# KiCad board 8851_HW-U1-VCU118_REV2-0_071417.kicad_pcb (continued)
## Routing (per net, layer and track width the routed paths; a pad name or vN(x,y) marks a point on that pad's centre or on a via; arc(x,y) is an arc through that point) (continued)
RLD3_C3_COMP1_72B_TDO: length 32.7
  TOP w0.15: 68.72,111.88 v2(68.23,111.38) 67.67,110.83 67.67,109.13 67.33,108.79 67.33,107.92 68.38,106.88 86.42,106.88 v3(87.58,105.72) ; U141.N4 v2(88.81,108.58)
  20_SIG7 w0.087: v2(88.81,108.58) 88.32,109.07 86.62,109.07 86.37,108.82 86.37,107.46 87.58,106.26 v3(87.58,105.72)
RLD3_C3_COMP2_72B_TDO: length 31.2
  TOP w0.15: J105.2 89.33,124.62 70,124.62 67.17,121.79 67.17,119.33 v2(68.23,118.27) 68.72,117.78
RLD3_C3_VTERM_0V6: length 52.6
  TOP w0.25: v3(101.89,119.69) 101.46,119.69 101.38,119.61 100.91,119.61 100.91,118.86 101.25,118.52 v3(101.78,118.52) ; 100.91,115.48 101.58,115.48 v3(102.17,116.08) ; v3(101.65,113.56) 101.48,113.73 100.91,113.73 ; R964.1 82.62,117.26 82.04,117.26 v2(82.01,117.29) ; R959.1 v2(82.01,112.37) ; 90.78,106.37 v3(90.78,105.74) ; 93,124.21 93.05,124.26 93.9,124.26 94.49,124.85 v3(94.9,124.85) ; v3(90.03,105.75) 90.03,106.13 89.79,106.37 87.82,106.37 ; R955.1 82.62,118.3 v2(82.01,118.3) ; v3(94.7,105.52) 94.6,105.63 94.6,106.34 ; v2(82.01,115.32) 82.01,115.32 R966.1 ; R963.1 v2(82.01,113.35) ; v2(82.01,116.31) 82.01,116.3 R971.1 ; R970.1 v2(82.01,111.38) ; 100.91,114.73 v3(101.6,114.73) ; R960.1 v2(82.01,109.41) ; R958.1 v2(82.01,110.4)
  TOP w0.375: 100.91,112.86 100.91,113.73
  11_PWR2 w0.375: J104.1 64.58,137.4 ; J104.1 62.99,135.81 ; J104.1 64.83,136.6 ; J104.1 62.73,136.6 ; J104.1 63.78,137.65 ; J104.1 64.58,135.81 ; J104.1 62.99,137.4 ; J104.1 63.78,135.55
  BOTTOM w0.25: v2(82.01,117.29) v2(82.01,116.31) v2(82.01,115.32) 82.01,115.32 82.66,115.32 82.9,115.57 ; v2(82.01,117.29) v2(82.01,118.3) ; v2(82.01,117.29) 82.04,117.26 82.6,117.26 83.26,117.92 84.38,117.92 84.88,117.42 84.88,116.96 ; 82.9,110.19 82.22,110.19 v2(82.01,110.4) ; v3(102.17,116.08) 101.58,115.48 100.91,115.48 ; v2(82.01,109.41) 82.38,109.05 82.9,109.05 ; v3(101.78,118.52) 101.44,118.86 100.91,118.86 ; v3(101.9,121.17) 101.9,120.72 101.49,120.32 100.9,120.32 ; 101.52,116.43 101.83,116.43 102.15,116.75 v3(102.15,116.83) ; 91.62,123.18 90.85,123.18 v3(90.75,123.08) ; v3(90.78,105.74) 90.78,105.32 91.17,104.92 Z87.1 ; v3(90.03,105.75) 90.16,105.89 C1246.1 88.77,106.68 ; 82.9,112.32 82.06,112.32 v2(82.01,112.37) ; 56.36,134.05 56.36,132.68 56.27,132.6 56.27,131.93 ; 100.91,113.73 101.48,113.73 v3(101.65,113.56) ; v3(101.6,114.73) 100.91,114.73
  BOTTOM w0.375: 100.91,112.86 100.91,113.73
  vias: v3(59.27,133.43) v3(60.52,133.43) v3(63.17,133.4) v3(64.42,133.4)
RLD3_C3_VTERM_0V6_PGOOD: length 223.7
  TOP w0.138: R1008.2 56.88,128.48 56.68,128.28 56.3,128.28 v3(55.78,127.75) ; Q41.1 v3(206.61,152.75)
  07_SIG3 w0.17: v3(55.78,127.75) 54.66,128.87 54.66,146.22 53.03,147.85 53.03,148.91 49.21,152.73 49.02,152.73 v3(48.78,152.97)
  14_SIG4 w0.087: v3(177.66,156.72) 184.17,156.72 186.12,158.68 194.24,158.68 195.67,157.24 200.95,157.24 202.07,156.12 202.07,154.85 202.57,154.35 203.28,154.35 203.46,154.53 206.19,154.53 206.61,154.12 v3(206.61,152.75)
  16_SIG5 w0.087: v3(48.78,152.97) 47.07,154.68 47.07,166.34 49.17,168.45 53.97,168.45 55.9,170.38 105.85,170.38 105.9,170.33 118.35,170.33 118.9,169.78 174,169.78 175.99,167.79 175.99,158.39 v3(177.66,156.72)
  BOTTOM w0.15: 55.78,129.03 v3(55.78,127.75)
RLD3_EN: length 3.9
  TOP w0.138: v3(57.48,127.23) 57.9,127.65 57.9,128.87
  BOTTOM w0.15: v3(57.48,127.23) 57.48,127.82 56.76,128.54 56.76,129.03
RLD3_REFIN: length 5.3
  BOTTOM w0.2: 55.36,134.25 55.76,134.25 55.96,134.06 55.96,132.88 55.78,132.7 55.78,131.93
  BOTTOM w0.375: C1289.1 v3(53.28,135.03) ; R992.1 v3(53.28,132.47) ; 55.36,134.25 v3(55.36,135.12)
RLD3_REFOUT: length 2.9
  TOP w0.138: 58.98,128.86 v3(58.98,128.18)
  BOTTOM w0.15: 57.26,129.03 57.26,128.72 57.8,128.18 v3(58.98,128.18)
RLD3_SENSE: length 90.5
  TOP w0.15: v3(102.83,105.54) 101.36,104.08 93.8,104.08 93.14,104.73 v3(93.14,105.48)
  BOTTOM w0.15: Z87.2 92.58,104.92 v3(93.14,105.48) ; v3(102.83,105.54) 106.54,109.25 106.54,125.99 101.62,130.9 67.38,130.9 64.8,128.33 59.89,128.33 58.7,129.52 58.7,131.52 58.35,131.87 58.35,132.37 57.98,132.75 57.42,132.75 57.26,132.58 57.26,131.93
RX_CTRL: length 16.1
  TOP w0.102: U7.38 38.43,141.45 38.54,141.56 38.54,146.68 38.05,147.18 38.05,148.42 38.91,149.28 38.91,149.58 38.02,150.47
  TOP w0.138: R65.1 41.87,135.55 41.25,134.93 v3(40.5,134.93) 40.23,135.19 39.64,135.19
  BOTTOM w0.15: v3(40.5,134.93) 41,134.43 42.5,134.43
SDIO_CD: length 32.3
  TOP w0.15: 18.8,132.45 v6(19.2,132.84)
  05_SIG2 w0.17: v3(18.11,153.3) 18.11,148.73 17.68,148.3 17.68,145.95 16.42,144.69 16.42,140.74 16.19,140.52 16.19,132.77 16.84,132.12 18.48,132.12 v6(19.2,132.84)
  BOTTOM w0.15: 20.86,154.02 19.98,154.02 19.25,153.3 v3(18.11,153.3) 18.11,156.13
  BOTTOM w0.375: R1101.2 v3(22.8,154.02)
SDIO_CLK: length 50.5
  TOP w0.15: 20.38,133.24 v6(20.77,133.63)
  TOP w0.375: U111.B7 v6(14.47,137.57)
  18_SIG6 w0.087: v6(20.77,133.63) 21.16,134.03 21.16,138.89 19.46,140.59 18.34,140.59 17.72,141.21 17.72,143.84 14.85,146.71 14.85,151.03 14.3,151.58 14.3,152.82 14.21,152.91 12.76,152.91 12.68,152.99 12.68,153.34 12.76,153.43 14.21,153.43 14.3,153.52 14.3,153.87 14.21,153.96 12.76,153.96 12.68,154.04 12.68,154.39 12.76,154.48 14.21,154.48 14.3,154.57 14.3,154.92 14.21,155.01 13.06,155.01 12.97,155.09 12.97,155.43 13.07,155.53 14.21,155.53 14.3,155.62 14.3,155.97 14.21,156.06 13.44,156.06 13.27,156.22 13.27,156.46 13.39,156.58 14.21,156.58 14.3,156.67 14.3,157.1 v3(9.85,161.55)
  BOTTOM w0.15: 8.74,162.06 9.34,162.06 v3(9.85,161.55) 9.85,159.56 9.18,158.89 7.8,158.89
SDIO_CMD: length 43.6
  TOP w0.15: U111.B10 v6(17.62,137.57) ; 20.38,130.88 v6(20.77,130.48)
  18_SIG6 w0.087: v3(9.85,163.67) 16.11,157.41 16.11,154.71 15.99,154.58 15.47,154.58 15.38,154.49 15.38,154.14 15.47,154.06 15.99,154.06 16.07,153.97 16.07,148.59 16.35,148.31 16.35,146.54 18.77,144.12 18.77,142.23 21.95,139.05 21.95,133.38 21.81,133.24 21.34,133.24 21.16,133.06 21.16,130.88 v6(20.77,130.48)
  BOTTOM w0.15: v3(9.85,163.67) 9.52,163.34 8.74,163.34 ; U154.10 v3(9.84,162.7)
SDIO_CONN_CLK: length 16.8
  03_SIG1 w0.17: v3(7.67,166.05) 9.12,167.49 17.07,167.49 19.09,165.46 v3(19.09,165.23)
  BOTTOM w0.15: 19.09,167.52 v3(19.09,165.23) ; U154.14 7.24,165.62 v3(7.67,166.05)
SDIO_CONN_CMD: length 1.1
  BOTTOM w0.375: U154.8 7.89,160.99 v3(8.47,160.4)
SDIO_CONN_DATA1: length 2.9
  BOTTOM w0.375: 5.05,158.89 5.05,159.27 5.42,159.65 v3(5.72,159.65) 5.96,159.89 U154.5
SDIO_CONN_DATA2: length 36.1
  03_SIG1 w0.17: v3(6.61,160.2) 6.61,161.26 7.88,162.54 7.88,164.22 9.86,166.2 11.7,166.2 12.1,165.8 12.1,164.48 12.4,164.18 13.4,164.18 13.68,164.45 v3(13.68,165.23) ; v3(20.18,165.23) 17.33,168.08 8.59,168.08 v3(6.61,166.09)
  BOTTOM w0.15: U154.6 v3(6.61,160.2) ; J83.1 v3(20.18,165.23) ; 6.61,164.84 v3(6.61,166.09) ; 13.68,167.52 v3(13.68,165.23)
SDIO_CONN_DATA3: length 18
  03_SIG1 w0.17: v3(7.6,160.15) 7.6,161.49 8.43,162.32 8.43,163.93 9.61,165.11 10.42,165.11 12.21,163.33 15.53,163.33 15.84,163.64 v3(15.84,165.23)
  BOTTOM w0.15: U154.7 7.24,160.5 v3(7.6,160.15) ; 15.84,167.52 v3(15.84,165.23)
SDIO_DATA0: length 50.9
  TOP w0.15: 18.8,134.03 v6(19.2,134.42)
  TOP w0.375: 14.08,135.6 v6(13.68,135.99)
  18_SIG6 w0.087: v3(1.15,160.58) 2.01,159.71 2.01,157.06 2.82,156.26 2.82,156.13 2.45,155.77 2.45,155.65 2.7,155.4 2.83,155.4 3.19,155.76 3.31,155.76 3.56,155.51 3.56,155.39 3.2,155.03 3.2,154.9 3.44,154.66 3.57,154.66 3.93,155.02 4.06,155.02 4.3,154.77 4.3,154.65 3.94,154.28 3.94,154.16 4.19,153.91 4.31,153.91 4.67,154.28 4.8,154.28 5.05,154.03 5.05,153.91 4.68,153.54 4.68,153.42 4.93,153.17 5.05,153.17 5.42,153.53 5.68,153.53 6.02,153.19 6.02,152.96 5.6,152.54 5.6,152.31 5.76,152.15 5.99,152.15 6.41,152.57 6.64,152.57 6.8,152.42 6.8,152.19 6.37,151.77 6.37,151.54 6.53,151.38 6.76,151.38 7.18,151.8 7.41,151.8 7.57,151.64 7.57,151.42 7.14,151 7.14,150.77 7.3,150.61 7.53,150.61 7.95,151.03 8.18,151.03 11.54,147.67 11.54,147.3 12.33,146.51 12.33,145.46 13.92,143.86 13.92,141.19 14.83,140.28 15.32,140.28 16.06,139.54 16.06,135.24 16.48,134.81 18.8,134.81 v6(19.2,134.42)
  BOTTOM w0.15: v3(1.15,160.58) 1.37,160.35 4.39,160.35 5.12,161.08 5.12,162.06
SDIO_DATA1: length 53.3
  TOP w0.15: 19.59,134.03 v6(19.98,134.42) ; U111.C6 v6(13.68,136.78)
  18_SIG6 w0.087: v6(19.98,134.42) 19.98,134.65 19.59,135.04 19.59,138.61 18.95,139.25 17.84,139.25 16.33,140.76 15.76,140.76 15.18,141.34 15.18,143.82 12.87,146.13 12.87,146.74 12.23,147.37 12.23,148.32 11.26,149.29 11.26,149.51 11.66,149.9 11.66,150.13 11.5,150.29 11.27,150.29 10.88,149.9 10.65,149.9 10.49,150.06 10.49,150.28 10.88,150.68 10.88,150.9 10.73,151.06 10.5,151.06 10.11,150.67 9.88,150.67 8.29,152.26 8.29,152.48 8.76,152.95 8.76,153.18 8.6,153.34 8.38,153.34 7.91,152.87 7.68,152.87 6.98,153.57 6.86,153.57 6.7,153.42 6.58,153.42 6.33,153.67 6.33,153.79 6.48,153.94 6.48,154.07 6.31,154.24 6.18,154.24 6.01,154.07 5.88,154.07 5.64,154.31 5.64,154.44 5.81,154.61 5.81,154.74 5.57,154.98 5.44,154.98 5.27,154.81 5.14,154.81 4.89,155.06 4.89,155.18 5.07,155.36 5.07,155.48 4.82,155.73 4.7,155.73 4.52,155.55 4.4,155.55 4.15,155.8 4.15,155.92 4.33,156.1 4.33,156.22 4.08,156.47 3.96,156.47 3.78,156.29 3.66,156.29 3.41,156.54 3.41,156.66 3.59,156.84 3.59,156.96 2.6,157.95 2.6,162.68 v3(1.39,163.9)
  BOTTOM w0.15: v3(1.39,163.9) 1.94,163.34 5.11,163.34
  BOTTOM w0.375: 2.92,162.64 3.51,162.64 v3(4.01,162.15) 4.56,162.7 U154.3
SDIO_DATA2: length 48
  TOP w0.15: 20.38,131.66 v6(20.77,131.27)
  18_SIG6 w0.087: v6(20.77,131.27) 20.38,131.66 20.38,138.64 19.1,139.92 17.93,139.92 16.41,141.45 16.41,144.05 13.62,146.83 13.62,149.2 7.97,154.85 6.88,154.85 3.25,158.48 3.25,163.31 v3(1.39,165.18)
  BOTTOM w0.15: 5.11,163.98 2.58,163.98 v3(1.39,165.18)
SDIO_DATA3: length 49.1
  TOP w0.15: 17.23,135.6 v6(17.62,135.99) ; 18.8,130.88 v6(19.2,130.48)
  18_SIG6 w0.087: v6(19.2,130.48) 19.59,130.09 21.79,130.09 21.98,129.9 21.98,129.5 22.25,129.22 22.95,129.22 23.43,129.7 23.43,133.67 22.42,134.68 22.42,136.47 23.05,137.1 23.05,138.72 19.54,142.23 19.54,144.62 17.81,146.34 17.81,148.38 17.4,148.79 17.4,150.89 17.49,150.98 17.64,150.98 17.73,151.07 17.73,151.42 17.64,151.5 17.49,151.5 17.4,151.59 17.4,156.98 v3(9.85,164.53)
  BOTTOM w0.15: 8.74,163.98 9.01,163.98 9.55,164.53 v3(9.85,164.53)
SI570_0_OUTPUT_N: length 39.6
  TOP w0.102: 173.83,16.8 174.3,16.8 174.44,16.66 174.58,16.66 174.68,16.76 174.68,17.55 174.54,17.68 174.16,17.68 v3(173.87,17.39) ; v3(201.38,14.21) 201.72,14.55 201.72,14.91 R36.1
  18_SIG6 w0.087: v3(201.38,14.21) 201.6,14.42 201.8,14.42 202.02,14.64 202.02,14.83 201.85,15 196.91,15 195.26,13.35 183.69,13.35 179.25,17.79 174.89,17.79 174.81,17.7 174.81,17.5 174.72,17.41 174.46,17.41 174.37,17.5 174.37,17.7 174.28,17.79 173.96,17.79 173.87,17.7 v3(173.87,17.39)
  BOTTOM w0.102: 200.59,15.85 201.62,15.85 201.72,15.75 201.72,14.55 v3(201.38,14.21)
SI570_0_OUTPUT_P: length 41.2
  TOP w0.102: 173.83,16.3 174.25,16.3 174.39,16.44 174.68,16.44 174.9,16.66 174.9,17.64 174.64,17.9 174.26,17.9 v3(173.87,18.3) ; v3(202.29,14.21) 201.95,14.55 201.95,14.91 R36.2
  18_SIG6 w0.087: v3(202.29,14.21) 202.29,14.95 201.96,15.28 196.8,15.28 195.15,13.62 183.8,13.62 179.36,18.07 174.1,18.07 v3(173.87,18.3)
  BOTTOM w0.102: v3(202.29,14.21) 201.95,14.55 201.95,15.75 202.05,15.85 203.09,15.85
  BOTTOM w0.375: U18.4 v3(203.09,21.55)
SI570_1_OUTPUT_N: length 10.4
  TOP w0.102: 106.19,23.74 107.36,23.74 v3(107.41,23.69) ; 110.63,24.61 109.04,24.61 108.97,24.67 v3(108.97,25.26) 108.9,25.18 107.88,25.18
  14_SIG4 w0.087: v3(107.41,23.69) 107.41,23.5 107.32,23.41 106.71,23.41 106.46,23.67 106.46,24.14 107.96,25.65 108.07,25.65 108.15,25.56 108.15,25.35 108.24,25.26 108.42,25.26 108.5,25.35 108.5,25.56 108.59,25.65 108.89,25.65 108.97,25.56 v3(108.97,25.26)
SI570_1_OUTPUT_P: length 10.5
  TOP w0.102: 110.63,27.11 109.56,27.11 109.22,26.78 109.22,26.33 v3(109,26.11) 108.94,26.17 107.88,26.17 ; v3(107.38,22.94) 107.08,23.25 106.19,23.25
  14_SIG4 w0.087: v3(107.38,22.94) 107.19,23.14 106.6,23.14 106.18,23.55 106.18,24.26 107.85,25.92 108.82,25.92 v3(109,26.11)
SI5328_CLOCK1_C_N: length 47
  TOP w0.102: v2(109.49,49.06) 109.98,49.55 ; C24.2 v3(90,22.1)
  16_SIG5 w0.075: v2(109.49,49.06) 109.49,49.57 109.38,49.67 109.13,49.67 108.92,49.89 108.92,50.3 108.79,50.44 107.34,50.44 107.12,50.22 107.12,48.38 107.14,48.36 107.14,45.7 107.1,45.66 107.1,43.6 107.14,43.56 107.14,41.67 107.18,41.63 107.18,41.61
  16_SIG5 w0.087: 107.18,41.61 107.18,40.43 105.17,38.41 101.1,34.35 101.1,31.38 102.09,30.39 102.09,28.38 96.62,22.9 89.74,22.9 89.16,22.32 89.16,21.8 89.33,21.63 89.72,21.63 89.94,21.86 89.94,22.04 v3(90,22.1)
SI5328_CLOCK1_C_P: length 47
  TOP w0.102: C23.2 89.29,21.03 v3(89.91,21.03) ; v2(109.49,50.04) 109.98,50.53
  16_SIG5 w0.075: 106.91,41.61 106.91,41.63 106.95,41.67 106.95,43.48 106.91,43.52 106.91,45.74 106.95,45.78 106.95,48.28 106.93,48.3 106.93,50.3 107.26,50.63 108.87,50.63 109.11,50.39 109.11,49.97 109.2,49.89 109.33,49.89 v2(109.49,50.04)
  16_SIG5 w0.087: v3(89.91,21.03) 89.58,21.36 89.21,21.36 88.88,21.69 88.88,22.44 89.62,23.18 96.5,23.18 101.82,28.49 101.82,30.27 100.83,31.26 100.83,34.46 106.91,40.54 106.91,41.61
SI5328_CLOCK1_N: length 2.1
  TOP w0.102: 86.41,21.76 87.04,21.76 87.18,21.62 87.78,21.62 C24.1
SI5328_CLOCK1_P: length 2.1
  TOP w0.102: C23.1 87.83,21.4 87.18,21.4 87.04,21.26 86.41,21.26
SI5328_CLOCK2_C_N: length 37.2
  TOP w0.102: v3(90.03,24.06) 90.03,23.93 90.03,23.93 C1363.2 ; v2(105.55,49.06) 106.04,49.55
  16_SIG5 w0.075: 103.24,41.58 103.24,41.59 103.2,41.63 103.2,43.7 103.17,43.74 103.17,46.57 103.2,46.61 103.2,48.58 103.19,48.6 103.19,50.25 103.37,50.44 104.74,50.44 104.97,50.21 104.97,49.63 105.13,49.46 105.43,49.46 105.55,49.35 v2(105.55,49.06)
  16_SIG5 w0.087: 103.24,41.58 103.24,40.44 96.6,33.79 96.6,30.05 90.9,24.35 90.46,24.35 90.17,24.06 v3(90.03,24.06)
SI5328_CLOCK2_C_P: length 37.2
  TOP w0.102: v2(105.55,50.04) 106.04,50.53 ; C1364.2 v3(90.3,25.05)
  16_SIG5 w0.075: 102.97,41.58 102.97,41.59 103.01,41.63 103.01,43.62 102.97,43.66 102.97,46.65 103.01,46.69 103.01,48.5 102.99,48.52 102.99,50.33 103.29,50.63 104.82,50.63 105.16,50.29 105.16,49.72 105.23,49.66 105.46,49.66 105.55,49.74 v2(105.55,50.04)
  16_SIG5 w0.087: v3(90.3,25.05) 90.3,24.74 90.41,24.62 90.79,24.62 96.33,30.16 96.33,33.91 100.47,38.05 102.97,40.55 102.97,41.58
SI5328_CLOCK2_N: length 2.1
  TOP w0.102: C1363.1 87.83,24.35 87.18,24.35 87.04,24.22 86.41,24.22
SI5328_CLOCK2_P: length 2.1
  TOP w0.102: 86.41,24.71 87.04,24.71 87.18,24.58 87.78,24.58 C1364.1
SI5328_INT_ALM: length 29.6
  TOP w0.15: 84.73,25.9 v3(84.73,26.72)
  18_SIG6 w0.087: v3(84.73,26.72) 82.47,28.98 61.52,28.98 v3(60.41,30.08)
  BOTTOM w0.15: 60.73,27.16 60.73,29.87 60.52,30.08 v3(60.41,30.08)
SI5328_INT_ALM_LS: length 78.6
  TOP w0.138: v3(54.6,27.73) 54.15,27.28 53.67,27.28 53.4,27 51.16,27
  TOP w0.15: v2(100.63,60.87) 101.12,61.36
  05_SIG2 w0.17: v3(58.41,29.74) 56.4,27.73 v3(54.6,27.73)
  18_SIG6 w0.087: v3(61.08,34.33) 62.6,32.8 66.9,32.8 67.56,32.14 87.21,32.14 92.17,37.11 92.17,47.24 93.5,48.57 95.96,48.57 96.2,48.81 96.2,60.14 96.43,60.38 99.86,60.38 100.36,60.87 v2(100.63,60.87)
  BOTTOM w0.15: v3(58.41,29.74) 59.45,28.7 59.45,27.16 ; v3(61.08,34.33) 60.73,33.98 60.73,32.91
SI5328_RST_B: length 87.2
  TOP w0.15: 85.71,25.9 v3(85.71,26.72)
  05_SIG2 w0.17: v3(65.2,58.47) 63.74,58.47 56.03,66.19 v3(54.59,66.19)
  16_SIG5 w0.087: v3(54.59,66.19) 61.56,59.22 61.56,46.55 60.95,45.94 60.95,40.22 65.55,35.62 65.55,31.39 67.69,29.25 85.71,29.25 86.22,28.74 86.22,27.23 v3(85.71,26.72)
  BOTTOM w0.15: 60.09,52.33 60.09,54.17 64.4,58.47 v3(65.2,58.47)
SI5328_RST_LS_B: length 108
  TOP w0.15: v2(136.06,61.85) 135.57,62.35
  03_SIG1 w0.17: v3(62.83,65.12) 62.83,67.3 v3(65.1,69.58)
  BOTTOM w0.111: 134.58,61.08 134.78,61.28 135.38,61.28 135.95,61.85 v2(136.06,61.85)
  BOTTOM w0.15: v3(62.83,65.12) 62.83,62.75 62.44,62.36 61.85,62.36 61.85,61.58 60.09,59.82 60.09,58.08 ; 134.58,61.08 134.58,60.67 134.29,60.38 133.95,60.38 133.6,60.02 133.6,59.69 133.3,59.39 132.86,59.39 132.62,59.15 132.62,58.7 132.32,58.41 129.96,58.41 129.66,58.7 129.66,59.1 129.36,59.4 128.97,59.4 128.7,59.67 128.7,60.06 128.38,60.38 127.99,60.38 127.69,60.67 127.69,61.08 127.42,61.36 127.01,61.36 126.71,61.66 126.71,62.05 126.41,62.35 126,62.35 125.73,62.62 125.73,63.03 125.43,63.33 116.9,63.33 115.58,64.64 113.37,64.64 112.93,64.21 112.93,63.63 112.63,63.33 112.24,63.33 111.95,63.03 111.95,62.64 111.65,62.35 108.3,62.35 108.08,62.12 108.08,61.72 107.7,61.35 107.31,61.35 107,61.04 107,60.65 106.73,60.38 106.34,60.38 106.04,60.08 106.04,58.7 105.74,58.41 92.93,58.41 90.25,55.72 83.39,55.72 82.68,56.44 82.68,58.14 81.74,59.08 81.13,59.08 80.67,59.53 80.67,64.92 79.64,65.95 66.8,65.95 65.1,67.65 v3(65.1,69.58)
SI5328_SCL: length 215.9
  TOP w0.15: 83.25,20.57 83.25,20.07 82.43,19.25 78.96,19.25 77.46,17.76 v3(76.55,17.76)
  TOP w0.25: U57.22 85.25,22.74 v3(85.24,22.73)
  18_SIG6 w0.087: v3(76.55,17.76) 75.98,18.33 73.38,18.33 73,17.95 73,17.2 72.35,16.55 61.53,16.55 60.63,17.45 51.96,17.45 51.77,17.64 48.12,17.64 47.39,16.91 45.66,16.91 44.2,18.37 44.2,19.43 31.24,32.39 31.24,53.31 29.9,54.65 29.9,66.55 23.01,73.44 23.01,84.9 22.12,85.79 22.12,89.67 18.9,92.9 18.9,101.38 21.16,103.63 26.64,103.63 30.66,107.65 32.17,107.65 37.35,112.83 40.48,112.83 42.6,114.95 42.6,117.42 43.26,118.09 43.26,123.46 46.03,126.22 46.03,129.43 48.8,132.2 48.8,137.58 50.42,139.2 52.16,139.2 55.34,142.39 55.47,142.39 56.09,141.76 56.21,141.76 56.4,141.95 56.4,142.07 55.77,142.7 55.77,142.82 55.96,143.01 56.08,143.01 56.71,142.38 56.83,142.38 57.02,142.57 57.02,142.69 56.39,143.31 56.39,143.44 56.58,143.62 56.7,143.62 57.25,143.08 57.38,143.08 57.56,143.26 57.56,143.38 57.01,143.93 57.01,144.06 58.68,145.72 58.8,145.72 v3(58.91,145.62)
  BOTTOM w0.15: 59.97,145.62 v3(58.91,145.62) 58.16,144.87 55.84,144.87
SI5328_SDA: length 217.5
  TOP w0.15: v3(73.72,17.79) 73.12,17.2 73.12,15.78 73.75,15.15 76.65,15.15 77.67,16.18 77.67,17.48 78.98,18.78 82.46,18.78 83.74,20.07 83.74,20.57
  TOP w0.25: U57.23 86.95,23.23 87.35,23.63 v3(87.35,23.85)
  18_SIG6 w0.087: v3(73.72,17.79) 73.47,17.55 73.47,17.02 72.54,16.09 61.34,16.09 60.43,16.99 51.77,16.99 51.58,17.18 48.32,17.18 47.58,16.45 45.47,16.45 43.74,18.18 43.74,19.24 30.78,32.2 30.78,53.12 29.44,54.46 29.44,66.36 22.55,73.25 22.55,84.71 21.65,85.61 21.65,89.5 18.44,92.71 18.44,101.57 20.96,104.09 26.45,104.09 30.47,108.11 31.96,108.11 37.23,113.38 40.15,113.38 42.02,115.25 42.02,117.7 42.8,118.47 42.8,123.65 45.56,126.41 45.56,129.62 48.34,132.39 48.34,137.77 50.29,139.73 52.03,139.73 58.9,146.6 v3(58.9,146.75)
  BOTTOM w0.15: 55.84,145.51 57.66,145.51 v3(58.9,146.75) arc(58.92,146.74) 58.94,146.73 59.95,146.73
SI5328_VCC: length 2.9
  TOP w0.25: 81.08,25.2 v3(80.15,25.2) ; U57.32 83.74,26.97
  BOTTOM w0.3: C26.1 80.5,25.55 v3(80.15,25.2)
  vias: v3(84.73,27.59) v3(85.71,27.59)
SI5328_XTAL_XA: length 4.9
  TOP w0.15: 82.08,29.95 82.72,29.95 83.12,29.55 83.12,26.8 83.25,26.67 83.25,25.9
SI5328_XTAL_XB: length 4.9
  TOP w0.15: 79.92,28.28 79.92,27 80.12,26.8 82.5,26.8 82.76,26.54 82.76,25.9
SIT9122_N: length 3.9
  BOTTOM w0.15: 34.24,77.52 34.24,78.79 34.37,78.92 34.37,79.52 34.37,80.13 34.25,80.25 34.25,81.27
SIT9122_P: length 3.9
  BOTTOM w0.15: 35.49,77.52 35.49,78.81 35.35,78.95 35.35,79.52 35.35,80.15 35.5,80.3 35.5,81.27
SYS1V0_LX: length 6.1
  TOP w0.2: U124.A2 13.69,116.56 13.31,116.94 13.31,117.06
  TOP w0.375: 14.89,121.69 14.89,119.27 13.31,117.69 13.31,117.06
  vias: v3(16.07,123.25) v3(16.07,122.13) v3(16.07,121) v3(16.82,123.25) v3(16.82,122.13) v3(16.82,121)
SYS2V5_LX: length 0.8
  TOP w0.3: U151.A2 58.73,120.24
SYS_1V0: length 58.7
  TOP w0.25: 32.8,134.7 v3(32.8,134.1) ; v3(36.5,141.8) 36.46,141.77 U7.42 ; 39.64,137.16 40.57,137.16 v3(40.62,137.21) ; 36.46,133.99 36.46,132.96 v3(36.62,132.8)
  TOP w0.375: v3(4.46,121.56) 4.46,120.91 5.08,120.29 5.71,120.91 v3(5.71,121.56) ; U111.F9 v6(16.83,134.42) ; U111.J10 v6(17.62,131.27) ; 10.19,121.76 J86.1 ; J86.1 9.39,122.02 ; J86.1 9.39,123.61 ; J86.1 11.24,122.81 ; J86.1 9.14,122.81 ; J86.1 10.98,122.02 ; J86.1 10.98,123.61 ; C134.1 v3(41.75,136.74) ; 16.44,130.88 v6(16.83,130.48) ; v3(36,143.35) 36.05,143.4 C78.1 ; U111.G10 v6(17.62,133.63) ; v3(8.46,121.56) 8.46,120.91 7.83,120.29 7.21,120.91 v3(7.21,121.56) ; 15.65,134.81 v6(15.26,135.21) ; U111.K5 v6(12.9,130.48) ; 18.01,130.88 v6(18.41,130.48)
  09_PWR1 w0.375: J86.1 10.98,123.61 ; J86.1 9.39,122.02 ; J86.1 10.19,123.86 ; J86.1 10.19,121.76 ; J86.1 10.98,122.02 ; J86.1 11.24,122.81 ; J86.1 9.39,123.61 ; J86.1 9.14,122.81
  BOTTOM w0.2: 30.46,111.17 30.46,111.69 30.28,111.88 30.19,111.88 v3(29.99,112.08)
  BOTTOM w0.25: 36.5,140.79 v3(36.5,141.8)
  BOTTOM w0.375: R817.1 29.13,112.54 29.38,112.3 29.77,112.3 v3(29.99,112.08) ; v3(36,143.35) 36.32,143.67 C82.1 ; C820.1 v3(17.93,125.83) ; 37.84,133.93 36.75,133.93 36.75,132.93 v3(36.62,132.8) ; C822.1 17.43,131.46 v6(17.62,131.27) ; C133.1 42,136.49 v3(41.75,136.74) ; C103.1 32.88,134.18 v3(32.8,134.1) 32.63,133.93 31.75,133.93 ; 8.18,125.99 v3(8.94,125.99) ; v3(22.68,126.29) 22.89,126.51 23.48,126.51 ; 14.15,115.44 v3(14.15,114.43) ; 7.83,118.42 v3(9.15,118.42) ; R814.1 v3(9.29,115.26) ; C806.1 v3(9.63,125.61) ; C110.1 v4(37.69,137.9) ; 39.61,137.9 40.3,137.9 40.62,137.58 v3(40.62,137.21) ; C834.1 v3(14.13,139.63) ; v3(28.15,128.1) 28.27,128.22 29.73,128.22 29.92,128.03 29.92,127.5 29.75,127.33 29.2,127.33 v3(28.24,126.36) ; C821.1 v3(9.51,139.5)
  vias: v3(7.1,123.95) v3(7.1,123.1) v3(9.2,120.85) v3(9.2,119.85) v3(10.32,120.85) v3(10.32,119.85) v3(11.57,120.85) v3(11.57,119.85)
SYS_1V0_PGOOD: length 286
  TOP w0.3: v3(15.29,115.69) 15.04,115.45 U124.C3
  TOP w0.375: Q36.1 v3(210.9,152.72)
  03_SIG1 w0.375: v3(13.94,119.67) 14.54,119.67 15.67,118.55 18.55,118.55 21.91,121.91 28.69,121.91 31.1,124.32 31.1,131 31.82,131.72 31.82,134.44 32.75,135.36 32.75,138.95 28.1,143.6 28.1,152.58 30.25,154.72 43.96,154.72 v3(44.68,155.45)
  14_SIG4 w0.375: v3(210.9,152.72) 210.45,152.72 209.75,152.02 206.23,152.02 205.82,152.43 205.82,152.44 205.88,152.49 205.88,152.98 205.2,153.65 201.75,153.65 200.57,154.83 200.57,155.83 199.76,156.64 192.83,156.64 191.69,155.5 179.82,155.5 176.76,152.44 v3(176.29,152.44)
  16_SIG5 w0.375: v3(44.68,155.45) 44.68,167.06 49.1,171.48 174.62,171.48 179.38,166.72 179.38,154.98 176.83,152.44 v3(176.29,152.44) ; v3(15.29,115.69) 14.61,116.36 11.74,116.36 11.17,116.93 11.17,117.77 11.43,118.02 12.29,118.02 v3(13.94,119.67)
  BOTTOM w0.375: 13.94,118.81 v3(13.94,119.67)
SYS_1V0_POR_B: length 23
  TOP w0.3: v3(15.74,116.29) 15.72,116.31 14.8,116.31 14.42,115.94 U124.B3
  TOP w0.375: v3(15.74,116.29) 15.74,116.82 16.24,117.32 ; v3(17.56,116.34) 17.23,116.67 R823.2
  03_SIG1 w0.375: v3(30.71,112.22) 30.71,112.32 30.3,112.72 29.38,112.72 28.23,111.58 23.45,111.58 21.75,113.27 18.46,113.27 15.74,116 v3(15.74,116.29)
  BOTTOM w0.2: 30.86,111.17 30.86,112.07 v3(30.71,112.22)
SYS_1V8: length 402.5
  TOP w0.15: U111.F1 v6(9.75,134.42) ; U111.C10 v6(17.62,136.78) ; v6(14.47,127.33) U111.P7 ; U111.E4 v6(12.11,135.21) ; U111.N10 v6(17.62,128.12) ; U111.R4 v6(12.11,126.54) ; U111.J4 v6(12.11,131.27) ; U111.A6 v6(13.68,138.36) ; U111.B3 v6(11.32,137.57) ; U111.L6 v6(13.68,129.69)
  TOP w0.25: v3(161.26,16.06) 161.7,16.49 161.7,17.27 ; v3(40.5,136.43) 40.25,136.67 39.64,136.67 ; 32.8,137.16 v3(32,137.16) ; v3(35.75,132.8) 35.97,133.03 35.97,133.99 ; v3(162.26,16.06) 162.19,16.13 162.19,17.27 ; 160.03,20.42 158.56,20.42 v3(158.31,20.18) ; v3(160.2,22.12) 160.2,22 160.72,21.49 U122.24
  TOP w0.375: v3(158.78,14.15) 158.43,14.5 158.43,14.85 ; 13.09,111.96 v3(12.29,111.96) ; 40.87,129.87 v3(40.87,129.05) ; U111.J8 v6(15.26,131.27) ; 43.49,134.43 44.12,134.43 v3(44.38,134.18) ; v3(28.47,130.34) 28.47,131.18 28.21,131.45 L60.1 27.55,130.97 v3(27.55,130.32) ; 15.2,113.48 15.2,114 v3(15.6,114.4) ; v3(44.38,137.5) 43.79,137.5 43.49,137.8 ; 36.14,129.74 v3(36.14,129.08) ; R30.1 v3(28.37,133.4) ; R31.1 v3(28.37,134.65) ; U111.J6 v6(13.68,131.27) ; 19.59,130.88 v6(19.98,130.48) ; 24.7,109.03 v3(23.52,109.03) ; v3(35.75,132.8) 36.28,132.27 36.28,131.93 ; 15.65,135.6 v6(15.26,135.99) ; 13.09,109.46 v3(12.29,109.46) ; R1197.1 v3(24.06,140.79) ; v3(28.2,127.25) 28.45,127.5 29.77,127.5 30.05,127.78 30.05,128.13 29.8,128.38 28.82,128.38 v3(28.23,128.97) ; 43.49,138.93 43.83,138.93 44.37,139.47 v3(44.37,139.93) ; v3(29.2,130.28) 29.2,130.07 29.2,130.06 R29.1 ; 10.14,127.73 v6(9.75,127.33) ; 11.72,130.88 v6(11.32,130.48) ; 20.38,136.39 v6(20.77,136.78) ; U111.E6 v6(13.68,135.21) ; 12.5,128.51 v6(12.11,128.12) ; 24.7,106.53 v3(23.52,106.53) ; v3(42.88,129.93) 42.25,130.55 42.25,131 ; 20.38,128.51 v6(20.77,128.12) ; 14.08,132.45 v6(13.68,132.84) ; U111.H4 v6(12.11,132.84) ; 24.7,107.78 v3(23.52,107.78) ; v3(31.77,112.38) 31.95,112.55 31.95,113.85 ; 7.05,138.31 v3(7.92,138.31) ; 24.7,110.28 v3(23.52,110.28) ; 13.09,106.96 v3(12.29,106.96) ; R26.1 v3(28.37,137.15) ; 21.16,134.03 v6(21.56,134.42) ; R205.2 v3(40.16,131.96) ; R27.1 v3(28.37,138.4) ; 14.86,135.6 v6(14.47,135.99) ; 13.09,104.46 v3(12.29,104.46)